# Altium PCB A33.PcbDoc (part 1 of 3) (continued)
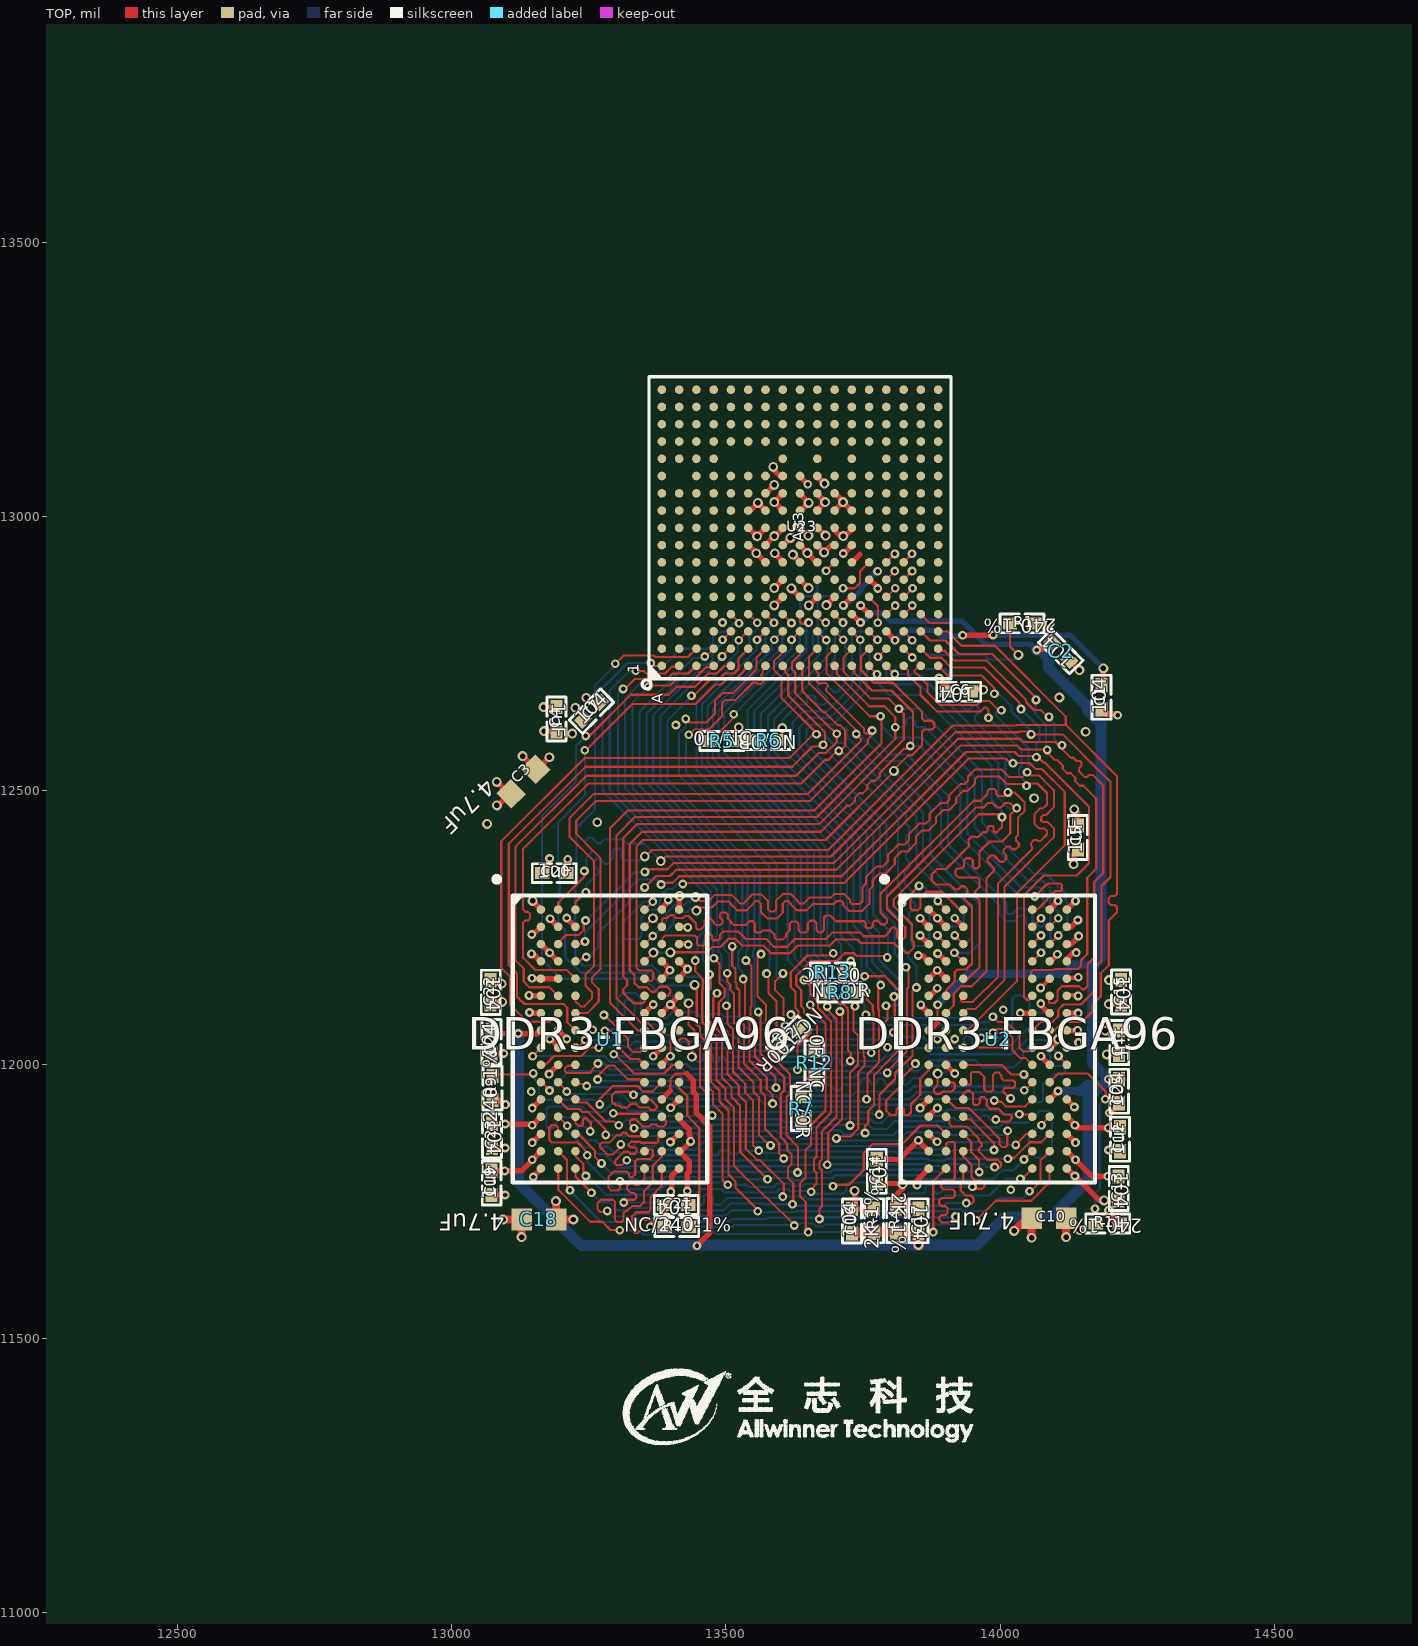
[diagram p0: TOP view]
## Nets (pads, with @x,y where several pads share a name; then routed paths per layer and width w, separated by ;. In a path a pad name is that pad's centre, name@x,y a point inside that pad or via, vN(x,y) a via of type N, cw(c..) or ccw(c..) an arc to the next point about the centre after c; other vN are vias at no path point)
DA0: U1.N3 U2.N3 U23.E4 | length 2241
  TOP w4: U1.N3@13225.37,11905.35 13225.37,11893.91 13230.65,11888.63 13237.02,11888.63 13238.66,11890.27 13238.66,11899.49 13242.75,11903.58 13244.7,11903.58 13253.34,11894.94 13253.34,11879.8 v1(13252.13,11878.59) ; v1(13500.77,12107.93) 13502.53,12106.17 13502.53,12074.98 13512.85,12064.65 13512.85,11987.66 13535.18,11965.33 13535.18,11949.22 13549.18,11935.22 13549.18,11853.19 13558.81,11843.56 v1(13559.81,11843.56) ; U23.E4@13509.07,12822.31 13523.68,12807.71 13523.68,12805.73 v1(13523.81,12805.6) ; U2.N3@13932.93,11905.36 13937.75,11900.53 13945.56,11900.53 13989.03,11857.07 v1(13989.03,11844.67)
  BOTTOM w4: v1(13252.13,11878.59) 13244.54,11886.17 13241.44,11886.17 13235.55,11892.06 13232.94,11892.06 13228.92,11888.04 13228.92,11877.47 13232.79,11873.6 13234.08,11873.6 13245.74,11861.95 13261.92,11861.95 13273.23,11850.64 13285.57,11850.64 13296.13,11840.08 13358.23,11840.08 13363.15,11835.16 13448.79,11835.16 13457.19,11843.56 13467.94,11843.56 13476.34,11835.16 13484.09,11835.16 13487.12,11838.19 13487.12,11840.8 13489.89,11843.56 13504.53,11843.56 13510.36,11837.73 13520.53,11837.73 13526.36,11843.56 v1(13559.81,11843.56) 13563.88,11839.49 13574.77,11839.49 13575.24,11839.02 13594.91,11839.02 13599.87,11843.99 13686.88,11843.99 13689.18,11841.68 13808.96,11841.68 13812.07,11838.57 13872.17,11838.57 13875.19,11835.55 13895.08,11835.55 13898.1,11838.57 13908.94,11838.57 13915.04,11844.67 v1(13989.03,11844.67) ; v1(13500.77,12107.93) 13503.27,12110.43 13503.27,12145.04 13487.99,12160.33 13487.99,12174 13491.99,12178 13491.99,12200.82 13486.59,12206.21 13486.59,12220.26 13486.64,12220.31 13486.64,12225.18 13493.75,12232.29 13493.75,12326.75 13315.98,12504.53 13315.98,12668.61 13363.86,12716.49 13374.67,12716.49 13417.24,12759.06 13465.62,12759.06 13476.11,12769.54 13476.11,12781.3 13484.61,12789.8 13498.1,12789.8 13507.53,12799.23 13513.76,12805.46 13523.68,12805.46 v1(13523.81,12805.6)
DA1: U1.P7 U2.P7 U23.D1 | length 2054
  TOP w4: v1(13307.79,11854.81) 13307.79,11850.75 13293.15,11836.11 13284.17,11836.11 13274.25,11846.03 13273.58,11846.03 13270.24,11849.37 13270.24,11855.03 13273.28,11858.08 13286.97,11858.08 13300.59,11871.69 13307.41,11871.69 13311.79,11876.07 13317.45,11876.07 13323.85,11869.67 13347.16,11869.67 U1.P7@13351.35,11873.86 ; v1(13358.34,12689.95) 13360.31,12691.92 13397.95,12691.92 13409.98,12703.95 13442.04,12703.95 13451.83,12713.74 13451.83,12713.95 13463.43,12725.54 13475.3,12725.54 U23.D1@13477.58,12727.82 ; v1(13502.35,12167.16) 13502.35,12151.97 13507.69,12146.64 13507.69,12136.96 13514.77,12129.88 13514.77,12076.88 13522.85,12068.79 13522.85,11995.62 13550.36,11968.11 13550.36,11950.44 13560.01,11940.78 13560.01,11872.34 13579.33,11853.02 v1(13581.12,11853.02) ; v1(14028.47,11853.87) 14028.47,11854.61 14047.72,11873.86 U2.P7@14058.91,11873.86
  BOTTOM w4: v1(13307.79,11854.81) 13321.32,11854.81 13324.56,11851.57 13330.19,11851.57 13337.83,11859.21 13346.19,11859.21 13353.83,11851.57 13368.39,11851.57 13375.66,11858.84 13381.32,11858.84 13384.15,11856.01 13384.15,11850.83 13389.81,11845.16 13444.65,11845.16 13458.82,11859.33 13574.53,11859.33 13580.83,11853.02 v1(13581.12,11853.02) 13581.41,11853.02 13583.93,11855.54 13689.47,11855.54 13693.32,11851.68 13813.1,11851.68 13816.21,11848.57 13876.31,11848.57 13879.34,11845.55 13890.93,11845.55 13893.96,11848.57 13902.08,11848.57 13912.17,11858.67 14006.11,11858.67 14010.9,11853.87 v1(14028.47,11853.87) ; v1(13358.34,12689.95) 13329.19,12660.8 13329.19,12505.77 13506.33,12328.62 13506.33,12230.74 13497.51,12221.92 13497.51,12221.57 13496.64,12220.69 13496.64,12211.08 13506.15,12201.57 13506.15,12170.96 v1(13502.35,12167.16)
DA2: U1.P3 U2.P3 U23.F2 | length 2009.9
  TOP w4: U1.P3@13225.37,11873.86 13230,11873.86 13233.69,11870.17 13234.15,11870.17 13260.82,11843.51 13260.82,11832.47 13272.97,11820.32 v1(13272.97,11820.19) ; v1(13437.08,12673.41) 13438.91,12675.24 13442.93,12675.24 13471.64,12703.95 13487.47,12703.95 13497.47,12713.95 13514.82,12713.95 13522.95,12722.08 13522.95,12741.7 U23.F2@13540.57,12759.32 ; v1(13563.81,12202.06) 13557.33,12195.58 13557.33,12125.1 13572.85,12109.58 13572.85,12026.53 13616.63,11982.75 13616.63,11947.38 13610.54,11941.29 13610.54,11872.05 13617.27,11865.32 13617.27,11864.45 13621.84,11859.88 13621.84,11859.54 13631.57,11849.82 13631.57,11809.05 13630.53,11808.01 v1(13630.53,11803.54) ; U2.P3@13932.93,11873.86 13947.63,11859.16 13947.63,11840.41 13961.53,11826.51 13961.53,11805.01 v1(13962.03,11804.51)
  BOTTOM w4: v1(13272.97,11820.19) 13272.97,11819.42 13290.31,11802.08 13328.89,11802.08 13331.89,11805.07 v1@13628.99,11805.07 ; v1(13437.08,12673.41) 13435.25,12671.58 13435.25,12670.14 13393.08,12627.97 13393.08,12520.05 13561.52,12351.6 13561.52,12204.34 v1(13563.81,12202.06) ; v1@13628.16,11805.91 v1@13628.99,11805.07 ; v1(13962.03,11804.51) 13960.99,11805.55 13862.77,11805.55 13859.75,11808.57 13695.62,11808.57 13690.58,11803.54 v1(13630.53,11803.54) v1@13628.99,11805.07
DA3: U1.N2 U2.N2 U23.H3 | length 2159.7
  TOP w4: U1.N2@13193.87,11905.35 13194.48,11905.35 13210.45,11889.38 v1(13210.45,11888.9) ; v1(13588.09,12775.34) U23.H3@13603.56,12790.81 ; v1(13684.78,11817.54) 13684.78,11822.14 13686.66,11824.02 13686.66,11876.05 13711.49,11900.87 13711.49,12092.42 13707.85,12096.06 v1(13707.85,12097.37) ; U2.N2@13901.43,11905.36 13907.59,11899.2 13907.59,11892.17 13912.03,11887.73 13939.03,11887.73 13961.2,11865.57 13961.2,11861.52 13967.04,11855.68 13967.04,11852.68 13961.2,11846.84 13961.2,11842.26 13974.07,11829.39 ; 13974.11,11829.39 13976.53,11826.97 13995.6,11826.97 14001.87,11820.7 14001.87,11815.04 13999.09,11812.27 13991.23,11812.27 v1(13990.04,11813.46)
  BOTTOM w4: v1(13210.45,11888.9) 13210.45,11880.66 13241.98,11849.13 13253.9,11849.13 13265.8,11837.22 13278.32,11837.22 13303.47,11812.08 13324.75,11812.08 13327.74,11815.07 13616.06,11815.07 13618.52,11817.54 v1(13684.78,11817.54) 13685.82,11818.57 13863.89,11818.57 13866.91,11815.55 13903.36,11815.55 13906.32,11818.51 13969.8,11818.51 13974.86,11813.46 v1(13990.04,11813.46) ; v1(13588.09,12775.34) 13588.09,12775.05 13584.09,12771.05 13584.09,12757.66 13476.19,12649.75 13476.19,12558.24 13648.79,12385.63 13648.79,12199.86 13667.88,12180.78 13667.88,12180.72 13683.51,12165.09 13683.51,12150.17 13708.69,12124.99 13708.69,12098.38 13707.85,12097.54 v1(13707.85,12097.37)
DA4: U1.P8 U2.P8 U23.D2 | length 2087.6
  TOP w4: v1(13318.95,11826.08) 13309.87,11817 13300.52,11817 13297.9,11819.62 13297.9,11825.27 13302.56,11829.93 13302.56,11830.25 13313.7,11841.39 13321.59,11841.39 13325.07,11837.91 13333.44,11837.91 13336.91,11841.38 13336.91,11846.91 13334.7,11849.12 13326.25,11849.12 13322.57,11852.8 13322.57,11854.84 13327.4,11859.67 13342.95,11859.67 13344.95,11857.67 13373.21,11857.67 13376.27,11860.73 13376.27,11867.28 U1.P8@13382.85,11873.86 ; v1(13461.35,12745.06) 13463.32,12745.06 U23.D2@13477.58,12759.32 ; v1(13511.51,12216.12) 13511.51,12180.49 13517.35,12174.66 13517.35,12150.62 13519.18,12148.78 13519.18,12141.22 13524.77,12135.63 13524.77,12081.02 13532.85,12072.94 13532.85,12002.45 13563.38,11971.92 13563.38,11951.56 13570.01,11944.92 13570.01,11944.36 13571.05,11943.33 13571.05,11883.26 13597.27,11857.04 13597.27,11837.38 v1(13605.57,11829.07) ; v1(14014.31,11828.51) 14021.59,11828.51 14023.36,11830.28 14026.02,11830.28 14054.4,11858.67 14075.22,11858.67 U2.P8@14090.41,11873.86
  BOTTOM w4: v1(13318.95,11826.08) 13319.87,11825.16 13597.88,11825.16 13601.8,11829.07 v1(13605.57,11829.07) 13606.1,11829.07 13608.57,11831.54 13804.96,11831.54 13807.93,11828.57 13868.03,11828.57 13871.05,11825.55 13899.22,11825.55 13902.24,11828.57 13913.55,11828.57 13913.61,11828.51 v1(14014.31,11828.51) ; v1(13461.35,12745.06) 13458.66,12742.37 13440.33,12742.37 13342.27,12644.31 13342.27,12509.15 13517.54,12333.88 13517.54,12225.72 13511.51,12219.7 v1(13511.51,12216.12)
DA5: U1.P2 U2.P2 U23.F1 | length 2327.2
  TOP w4: U1.P2@13193.87,11873.86 13193.25,11874.48 13193.25,11886.35 13189.98,11889.62 13181.65,11889.62 13177.56,11885.53 13177.56,11862.98 13182.38,11858.17 13229.18,11858.17 13241.66,11845.69 13241.66,11845.22 13246.82,11840.07 v1(13246.82,11834.89) ; v1(13242.49,12573.82) 13244.68,12573.82 13329.24,12658.37 13444.76,12658.37 13480.34,12693.95 13491.61,12693.95 13501.61,12703.95 13518.96,12703.95 13532.95,12717.93 13532.95,12720.11 13540.57,12727.73 U23.F1@13540.57,12727.82 ; v2(13442.74,12145.71) 13446.77,12141.69 13446.77,12073.93 13447.91,12072.78 13447.91,12072.57 13452.53,12067.96 13452.53,12052.79 13462.85,12042.46 13462.85,11964.18 13476.03,11951 13476.03,11928.24 13493.56,11910.72 13493.56,11790.8 v1(13503.28,11781.07) ; v1(13695.16,11778.63) 13697.68,11781.15 13724.31,11781.15 13751.29,11808.13 13751.29,11838.98 13767.91,11855.6 13821.42,11855.6 13854.98,11889.15 13886.14,11889.15 U2.P2@13901.43,11873.86
  BOTTOM w4: v1(13242.49,12573.82) 13242.49,12490.99 13193.71,12442.2 13193.71,12371.29 13196.63,12368.36 13196.63,12276.34 13194.41,12274.13 13194.41,12257.45 13206.71,12245.15 13206.71,12196.82 13235.48,12168.06 13359.8,12168.06 13383.28,12144.58 13441.61,12144.58 v2(13442.74,12145.71) ; v1(13246.82,11834.89) 13246.82,11822.8 13296.77,11772.84 13382.19,11772.84 13394.42,11785.07 13499.28,11785.07 v1(13503.28,11781.07) 13538.65,11781.07 13542.65,11777.07 13586.95,11777.07 13593.41,11783.54 13593.95,11783.54 13594.14,11783.74 13616.39,11783.74 13620.59,11779.54 13640.47,11779.54 13643.57,11782.63 13690.03,11782.63 13694.03,11778.63 v1(13695.16,11778.63)
DA6: U1.R8 U2.R8 U23.A1 | length 2394.8
  TOP w4: v1(13283.24,11733.5) 13281.15,11731.41 13270.5,11731.41 13265.43,11736.49 13265.43,11747.26 13271.96,11753.8 13293.53,11753.8 13297.28,11750.05 13297.28,11717.12 13301.28,11713.12 13309.28,11713.12 13313.28,11717.12 13313.28,11729.5 13317.28,11733.5 13320.03,11733.5 13329.22,11742.68 13343.75,11742.68 13350.48,11749.41 13350.48,11769.39 13366.53,11785.44 13366.53,11815.92 13382.85,11832.25 U1.R8@13382.85,11842.36 ; v1(13362.56,12732.99) 13367.73,12727.82 U23.A1@13383.09,12727.82 ; v1(13443.93,12190.14) 13443.93,12170.59 13457.74,12156.78 13457.74,12139.5 13456.77,12138.52 13456.77,12078.07 13457.91,12076.93 13457.91,12076.71 13462.53,12072.1 13462.53,12057.37 13472.85,12047.04 13472.85,11968.32 13488.12,11953.05 13488.12,11933.04 13504.4,11916.76 13504.4,11799.76 13517.28,11786.87 13517.28,11775.53 13557.8,11735.02 v1(13557.8,11732.85) ; v1(14053.66,11769.4) 14056.07,11769.4 14074.03,11787.36 14074.03,11825.98 U2.R8@14090.41,11842.36 ; U2.R8@14090.22,11842.36 U2.R8@14090.41,11842.36 ; U2.R8@14090.23,11842.37 U2.R8@14090.41,11842.36
  BOTTOM w4: v1(13283.24,11733.5) 13293.21,11723.52 13331.56,11723.52 13336.76,11728.73 13376.85,11728.73 13380.99,11724.58 13500.25,11724.58 13510.2,11734.54 13554.64,11734.54 13556.34,11732.85 v1(13557.8,11732.85) 13560.95,11732.85 13562.27,11731.54 13627.06,11731.54 13628.32,11732.8 13901.36,11732.8 13905.69,11737.14 13928.21,11737.14 13932.55,11732.8 13973.99,11732.8 13998.43,11757.24 14042.46,11757.24 14053.66,11768.45 v1(14053.66,11769.4) ; v1(13362.56,12732.99) 13320.15,12732.99 13274.55,12687.38 13274.55,12501.13 13277.93,12497.74 13277.93,12496.8 13461.89,12312.84 13461.89,12245.26 13447.95,12231.33 13447.95,12208.61 13443.93,12204.59 v1(13443.93,12190.14)
DA7: U1.R2 U2.R2 U23.G4 | length 2384.9
  TOP w4: U1.R2@13193.87,11842.36 13209.94,11826.3 13209.94,11776.67 v1(13215.37,11771.24) ; U23.G4@13572.07,12822.31 v1@13587.64,12806.74 ; v1(13670.5,11718.8) 13670.5,11737.1 13675.19,11741.8 13675.19,11807.32 13670.78,11811.74 13670.78,11823.34 13675.19,11827.75 13675.19,11878.72 13701.49,11905.02 13701.49,12083.26 13700.77,12083.99 13700.77,12084.54 13696.77,12088.54 13696.77,12088.82 13686.49,12099.1 13686.49,12104.78 v1(13684.87,12106.39) ; U2.R2@13901.43,11842.36 13901.56,11842.5 13901.56,11855.72 13905.32,11859.47 13914.63,11859.47 13917.53,11856.57 13917.53,11792.79 13913.53,11788.79 13896.65,11788.79 13892.65,11784.79 13892.65,11776.79 13896.65,11772.79 13913.53,11772.79 13917.53,11768.79 13917.53,11760.79 13913.53,11756.79 13892.98,11756.79 13889.07,11752.88 13889.07,11746.1 13893.07,11742.1 13900.42,11742.1 13904.42,11738.1 13904.42,11730.1 13900.42,11726.1 13893.07,11726.1 13889.07,11722.1 13889.07,11717.18 13893.8,11712.45 13908.12,11712.45 v1(13918.8,11723.14)
  BOTTOM w4: v1(13215.37,11771.24) 13217.95,11768.65 13217.95,11767.37 13271.97,11713.35 13336.39,11713.35 13341.77,11718.73 13372.71,11718.73 13376.85,11714.58 13506.92,11714.58 13511.18,11718.85 13573.55,11718.85 13575.53,11720.82 13668.47,11720.82 v1(13670.5,11718.8) 13673.62,11721.93 13914.6,11721.93 13915.81,11723.14 v1(13918.8,11723.14) ; v1(13587.66,12806.74) 13587.51,12806.74 13572.09,12791.32 13572.09,12759.8 13466.19,12653.9 13466.19,12552.82 13636.79,12382.22 13636.79,12197.66 13673.51,12160.95 13673.51,12140.03 13683.08,12130.46 13683.08,12109.8 13684.87,12108.01 v1(13684.87,12106.39)
DA8: U1.T8 U2.T8 U23.B1 | length 2288.8
  TOP w4: v1(13335.18,12718.79) 13349.7,12718.79 13354.54,12713.95 13388.84,12713.95 13401.3,12726.41 13413.18,12726.41 U23.B1@13414.59,12727.82 ; v1(13362.09,11704.73) 13364.35,11706.98 13364.35,11713.08 13360.72,11716.7 13348.1,11716.7 13345.05,11713.65 13345.05,11699.22 13339.51,11693.68 13332.98,11693.68 13329.06,11697.6 13329.06,11723.73 13336.33,11730.99 13358.37,11730.99 13362.37,11734.99 13362.37,11758.66 13382.85,11779.13 U1.T8@13382.85,11810.86 ; v1(13469.7,12164.97) 13472.23,12162.43 13472.23,12139.85 13466.77,12134.38 13466.77,12082.21 13467.91,12081.07 13467.91,12080.86 13472.53,12076.24 13472.53,12061.78 13482.85,12051.45 13482.85,11972.46 13499.05,11956.26 13499.05,11937.14 13514.59,11921.59 13514.59,11815.66 13530.84,11799.41 13616.13,11716.36 13624.51,11707.98 v1(13624.51,11706.82) ; v1(13956.59,11716.42) 13992.32,11752.15 14056.91,11752.15 14090.4,11785.64 14090.4,11802.15 U2.T8@14090.41,11810.87
  BOTTOM w4: v1(13335.18,12718.79) 13333.68,12717.29 13322.43,12717.29 13288.01,12682.87 13288.01,12500.86 13472.85,12316.03 13472.85,12240.15 13457.95,12225.26 13457.95,12191.2 13462.99,12186.16 13462.99,12174.14 13469.7,12167.44 v1(13469.7,12164.97) ; v1(13362.09,11704.73) 13366.72,11704.73 13366.86,11704.58 13511.99,11704.58 13515.2,11707.79 13621.01,11707.79 13621.3,11707.5 13623.84,11707.5 v1(13624.51,11706.82) 13625.18,11707.5 13626.74,11707.5 13629.47,11710.22 13659.28,11710.22 13664.7,11704.8 13676.3,11704.8 13680.3,11708.8 13948.97,11708.8 v1(13956.59,11716.42)
DA9: U1.R3 U2.R3 U23.F4 | length 2191.5
  TOP w4: U1.R3@13225.37,11842.36 13225.37,11833.45 13239.48,11819.34 13239.48,11804.7 13244.35,11799.83 v1(13244.35,11797.11) ; U23.F4@13540.57,12822.31 13541.15,12822.31 v1(13556.89,12806.56) ; v1(13642.44,12154.91) 13654.09,12143.26 13654.09,12129.21 13667.82,12115.48 13667.82,12103.62 13686.77,12084.67 13686.77,12084.39 13690.77,12080.39 13690.77,12079.84 13691.49,12079.12 13691.49,11912.34 13665.19,11886.05 13665.19,11831.89 13660.78,11827.48 13660.78,11807.59 13665.19,11803.18 13665.19,11782.8 13655.45,11773.06 v1(13655.45,11768.63) ; U2.R3@13932.93,11842.36 13932.93,11832.89 13948.03,11817.79 13948.03,11795.45 13954.57,11788.9 13966.82,11788.9 13971.67,11784.05 13971.67,11778.39 13967.31,11774.04 13952.93,11774.04 v1(13949.59,11777.37)
  BOTTOM w4: v1(13244.35,11797.11) 13247.35,11797.11 13281.65,11762.81 13385.19,11762.81 13393.31,11754.7 13435.44,11754.7 13454.29,11773.54 13491.02,11773.54 13497.49,11767.07 13591.09,11767.07 13597.55,11773.54 13612.44,11773.54 13616.45,11769.54 13654.55,11769.54 v1(13655.45,11768.63) 13659.45,11764.63 13700.96,11764.63 13701.57,11765.24 13713.99,11765.24 13719.7,11770.95 13719.7,11780.81 13724.28,11785.39 13762.7,11785.39 13766.7,11781.39 13766.7,11769.24 13770.7,11765.24 13859.74,11765.24 13863.74,11769.24 13863.74,11777.14 13867.74,11781.14 13875.74,11781.14 13879.74,11777.14 13879.74,11769.24 13883.74,11765.24 13889.82,11765.24 13894.53,11769.95 13894.53,11773.61 13898.3,11777.37 v1(13949.59,11777.37) ; v1(13556.89,12806.56) 13556.89,12795.44 13542.6,12781.14 13542.6,12758.59 13446.19,12662.18 13446.19,12538.58 13612.79,12371.98 13612.79,12190.95 13642.44,12161.31 v1(13642.44,12154.91)
DA10: U1.L7 U2.L7 U23.E2 | length 1911.1
  TOP w4: v1(13265.8,11973.25) 13265.8,11979.64 13284.68,11998.52 13296.13,11998.52 13320.82,11973.82 13344.02,11973.82 13349.5,11968.34 U1.L7@13351.35,11968.34 ; v1(13492.93,12745.17) 13492.93,12745.87 13506.38,12759.32 U23.E2@13509.07,12759.32 ; v1(13536.27,12190.27) 13546.36,12180.18 13546.36,12106.98 13544.77,12105.38 13544.77,12089.3 13552.85,12081.22 13552.85,12015.02 13590.46,11977.42 13590.46,11958.95 v1(13591.21,11958.2) ; v1(14044.32,11953.42) 14044.32,11953.81 v1@14043.06,11955.07 ; v1@14045.03,11954.67 14044.63,11955.07 v1@14043.06,11955.07 ; U2.L7@14058.91,11968.35 14058.91,11966.55 14048.62,11956.26 14044.26,11956.26 v1@14043.06,11955.07
  BOTTOM w4: v1(13265.8,11973.25) 13272.6,11973.25 13275.11,11970.74 13411.87,11970.74 13423.53,11959.08 13590.33,11959.08 v1(13591.21,11958.2) 13592.05,11958.2 13592.8,11957.45 13597.28,11957.45 13604.26,11950.47 13625.06,11950.47 13631.41,11944.12 13649.01,11944.12 13649.43,11943.7 13730.41,11943.7 13737.9,11951.19 13833.09,11951.19 13842.68,11960.78 14016.53,11960.78 14020.26,11957.05 14040.51,11957.05 14041.3,11956.26 14041.48,11956.26 v1(14044.32,11953.42) ; v1(13492.93,12745.17) 13487.85,12740.1 13487.85,12736.66 13467.87,12716.68 13446.02,12716.68 13367.19,12637.84 13367.19,12516.42 13539.81,12343.8 13539.81,12209.69 13536.27,12206.15 v1(13536.27,12190.27)
DA11: U1.R7 U2.R7 U23.C2 | length 2409.5
  TOP w4: v1(13298.12,12731.78) 13313.33,12746.99 13368.36,12746.99 13371.39,12743.96 13430.73,12743.96 U23.C2@13446.08,12759.32 ; v1(13306.51,11787.68) 13306.6,11787.59 13306.6,11774.06 13303.43,11770.9 13290.65,11770.9 13285.88,11775.68 13285.88,11796 13295.5,11805.62 13318.92,11805.62 13322.86,11801.68 13322.87,11796.9 13324.21,11795.57 13329.86,11795.57 13334.3,11800.01 13334.3,11824.1 13338.29,11828.09 13361.72,11828.09 13366.38,11832.75 13366.38,11843.92 13364.64,11845.67 13354.66,11845.67 U1.R7@13351.35,11842.36 ; v1(13483.69,12130.48) 13483.69,12128.73 13476.77,12121.81 13476.77,12086.36 13482.53,12080.6 13482.53,12066.04 13492.85,12055.71 13492.85,11976.6 13510.24,11959.21 13510.24,11941.37 13525.73,11925.88 13525.73,11895.24 13525.92,11895.05 13525.92,11840.84 v1(13575.67,11791.07) ; v1(14043.75,11827.24) U2.R7@14058.91,11842.36
  BOTTOM w4: v1(13298.12,12731.78) 13298.12,12728.92 13260.81,12691.6 13260.81,12465.61 13227.17,12431.97 13227.17,12369.7 13224.92,12367.45 13224.92,12195.59 13239.16,12181.35 13365.21,12181.35 13387.9,12158.66 13391.8,12158.66 13391.85,12158.6 13403.45,12158.6 13405.61,12160.76 13423.84,12160.76 13423.91,12160.69 13435.51,12160.69 13435.58,12160.76 13450.08,12160.76 13480.36,12130.48 v1(13483.69,12130.48) ; v1(13306.51,11787.68) 13308.79,11785.39 13319.93,11785.39 13325.65,11791.11 13335.93,11791.11 13341.65,11785.39 13350.31,11785.39 13354.31,11789.39 13354.31,11789.88 13358.31,11793.88 13366.31,11793.88 13370.31,11789.88 13370.31,11789.39 13374.31,11785.39 13379.1,11785.39 13388.78,11795.07 13532.59,11795.07 13536.59,11791.07 v1(13575.67,11791.07) 13578.13,11793.54 13589.8,11793.54 13590.03,11793.77 13620.5,11793.77 13624.73,11789.54 13636.33,11789.54 13640.33,11793.54 13694.72,11793.54 13699.76,11798.57 13853.04,11798.57 13859.84,11791.77 13954.97,11791.77 13956.23,11790.51 13986.9,11790.51 14004.12,11807.74 14024.58,11807.74 14043.75,11826.91 v1(14043.75,11827.24)
DA12: U1.N7 U2.N7 U23.E1 | length 2456.3
  TOP w4: v1(13244.2,12600.11) 13250.91,12600.11 13326.04,12675.24 13395.43,12675.24 13410.14,12689.95 13443.5,12689.95 13467.5,12713.95 13483.33,12713.95 13497.2,12727.82 U23.E1@13509.07,12727.82 ; v1(13294.42,11911.81) 13295.39,11910.84 13345.86,11910.84 U1.N7@13351.35,11905.36 ; v2(13431.77,12112.26) 13431.77,12073.39 13442.53,12062.63 13442.53,12048.64 ; 13442.55,12048.62 13442.55,12046.56 13452.85,12036.26 13452.85,11960.03 13464.02,11948.86 13464.02,11918.29 v1(13474.63,11907.68) ; v1(14035.27,11909.67) 14035.77,11909.17 14055.1,11909.17 U2.N7@14058.91,11905.36
  BOTTOM w4: v1(13244.2,12600.11) 13226.31,12582.22 13226.31,12516.36 13164.12,12454.18 13164.12,12192.7 13184.32,12172.5 13199.92,12156.9 13351.12,12156.9 13382.36,12125.65 13419.76,12125.65 13431.77,12113.64 v2(13431.77,12112.26) ; v1(13294.42,11911.81) 13292.35,11909.75 13292.35,11906.64 13282.76,11897.05 13247.08,11897.05 13240.3,11903.82 13199.49,11903.82 13189.21,11893.55 13189.21,11888.18 13185.21,11884.18 13175.49,11884.18 13172.64,11887.02 13172.64,11919.53 13177.07,11923.95 13236.89,11923.95 13247.12,11913.73 13276.07,11913.73 13292.79,11930.44 13307.06,11930.44 13321.63,11915.87 13381.35,11915.87 13390.72,11906.5 13473.45,11906.5 v1(13474.63,11907.68) 13481.47,11900.84 13602.03,11900.84 13607.04,11895.83 13679,11895.83 13683.95,11900.78 13718.26,11900.78 13720.68,11903.19 13732.28,11903.19 13733.2,11902.27 13761.71,11902.27 13764.83,11899.15 13765.59,11899.15 13770.7,11894.04 13784.13,11894.04 13797.07,11906.98 13892.49,11906.98 13903.71,11918.21 13987.88,11918.21 13987.92,11918.17 13994.82,11918.17 14003.32,11909.67 v1(14035.27,11909.67)
DA13: U1.T3 U2.T3 U23.F3 | length 2098.2
  TOP w4: U1.T3@13225.37,11810.86 13225.37,11796.29 13254.49,11767.18 v1(13254.49,11766.7) ; v1(13523.21,12774.67) 13539.36,12790.81 U23.F3@13540.57,12790.81 ; v1(13558.85,12096.52) 13561.36,12094.01 13561.36,12092.51 13562.85,12091.02 13562.85,12020.14 13606.23,11976.76 13606.23,11953.24 13599.78,11946.79 13599.78,11868.67 13607.27,11861.18 13607.27,11860.31 13611.84,11855.74 13611.84,11844.32 13619.57,11836.59 13619.57,11819.06 13612.92,11812.42 13612.92,11793.73 13622.55,11784.1 13622.55,11754.13 13621.26,11752.83 v1(13621.26,11745.54) ; U2.T3@13932.93,11810.87 13932.93,11796.81 13932.93,11786.78 13928.27,11782.12 13928.27,11770.78 13932.93,11766.12 13932.93,11765.94 13937.41,11761.46 13946.57,11761.46 13951.99,11756.04 13951.99,11750.38 13948.2,11746.59 13939.3,11746.59 v1(13938.16,11747.73)
  BOTTOM w4: v1(13254.49,11766.7) 13254.49,11766.59 13271.85,11749.22 13287.31,11749.22 13301.72,11734.81 13319.32,11734.81 13323.24,11738.73 13380.99,11738.73 13385.02,11734.7 13385.14,11734.58 13495.65,11734.58 13507.92,11746.85 13567.26,11746.85 13568.57,11745.54 v1(13621.26,11745.54) 13624.29,11745.54 13627.03,11742.8 13896.38,11742.8 13901.31,11747.73 v1(13938.16,11747.73) ; v1(13523.21,12774.67) 13523.15,12774.61 13521.89,12773.34 13521.89,12753.81 13474.7,12706.62 13450.5,12706.62 13380.7,12636.83 13380.7,12518.28 13551.52,12347.46 13551.52,12209.57 13549.81,12207.85 13549.81,12196.26 13551.89,12194.17 13551.89,12105.64 13558.85,12098.68 v1(13558.85,12096.52)
DA14: U1.T7 U2.T7 U23.C1 | length 2150.6
  TOP w4: v1(13312.28,12685.91) 13313.59,12685.91 13316.72,12689.04 13318.45,12689.04 13333.36,12703.95 13392.98,12703.95 13402.98,12713.95 13431.44,12713.95 13445.31,12727.82 U23.C1@13446.08,12727.82 ; v1(13313.52,11748.81) 13318.66,11753.95 13333.22,11753.95 13336.19,11756.92 13336.19,11762.58 13332.72,11766.05 13326.51,11766.05 13323.1,11769.47 13323.1,11769.6 13319.29,11773.41 13319.29,11779.07 13324.94,11784.73 13330.6,11784.73 13334.41,11780.92 13340.07,11780.92 13351.35,11792.2 U1.T7@13351.35,11810.86 ; v1(13477.99,12194.49) 13488.35,12184.13 13488.35,12148.4 13497.69,12139.07 13497.69,12124.65 13486.77,12113.73 13486.77,12090.5 13492.53,12084.74 13492.53,12070.31 13502.85,12059.99 13502.85,11982.61 13523.18,11962.28 13523.18,11945.05 13536.6,11931.64 13536.6,11903.85 13535.92,11903.17 13535.92,11847.13 13556.94,11826.11 13562.2,11826.11 13605.31,11783 13605.31,11761.5 v1(13603.35,11759.54) ; v1(14037.2,11792.35) 14041.12,11792.35 14058.91,11810.14 U2.T7@14058.91,11810.87
  BOTTOM w4: v1(13312.28,12685.91) 13302.77,12676.4 13302.77,12500.24 13483.75,12319.27 13483.75,12236.44 13476.64,12229.32 13476.64,12224.97 13476.59,12224.93 13476.59,12202.07 13477.99,12200.68 v1(13477.99,12194.49) ; v1(13313.52,11748.81) 13385.05,11748.81 13389.16,11744.7 13391.62,11744.7 13391.73,11744.58 13455.65,11744.58 13459.65,11748.58 13459.65,11758.86 13463.65,11762.86 13471.65,11762.86 13475.65,11758.86 13475.65,11748.58 13479.65,11744.58 13489.71,11744.58 13502.2,11757.07 13600.89,11757.07 v1(13603.35,11759.54) 13612.3,11759.54 13644.75,11759.54 13649.65,11754.63 13705.11,11754.63 13705.72,11755.24 13894.28,11755.24 13900.76,11761.73 13980.93,11761.73 14011.55,11792.35 v1(14037.2,11792.35)
DA15: U1.M7 U2.M7 U23.E3 | length 1979.1
  TOP w4: v1(13331.27,11945.37) 13325.94,11950.71 13298.17,11950.71 13291.76,11944.3 13291.76,11933.05 13299.19,11925.63 13305.64,11925.63 13309.39,11921.88 13319.44,11921.88 13326.54,11928.98 13335.44,11928.98 13342.54,11921.88 13358.83,11921.88 13363.24,11917.48 13369.78,11917.48 13373.75,11921.44 13373.75,11925.39 13362.3,11936.85 U1.M7@13351.35,11936.85 ; v1(13493.61,12775.34) U23.E3@13509.07,12790.81 ; v1(13531.35,12156.42) 13531.35,12154.37 13534.77,12150.94 13534.77,12085.16 13542.85,12077.08 13542.85,12007.78 13574.31,11976.32 13574.31,11955.3 13585.05,11944.56 v1(13585.05,11929.3) ; v1(13989.59,11935.01) 13991.94,11932.67 14002.04,11932.67 14010.54,11924.17 14046.23,11924.17 U2.M7@14058.91,11936.85
  BOTTOM w4: v1(13331.27,11945.37) 13334.28,11948.38 13405.93,11948.38 13417.69,11936.63 13561.6,11936.63 13568.93,11929.3 v1(13585.05,11929.3) 13591.63,11929.3 13597.23,11923.7 13628.71,11923.7 13629.13,11924.12 13640.72,11924.12 13641.14,11923.7 13749.96,11923.7 13750.47,11923.19 13762.07,11923.19 13766.07,11927.19 13839.4,11927.19 13849.67,11937.46 13984.8,11937.46 13987.25,11935.01 v1(13989.59,11935.01) ; v1@13493.27,12775.34 v1(13493.61,12775.34) 13493.61,12770.36 13475.35,12752.1 13475.35,12739.26 13466.22,12730.13 13444.41,12730.13 13354.89,12640.62 13354.89,12515.44 13357.19,12513.15 13357.19,12512.28 13529.81,12339.66 13529.81,12213.83 13522.27,12206.29 13522.27,12183.53 13522.36,12183.44 13522.36,12176.74 13529.66,12169.44 13529.66,12158.1 v1(13531.35,12156.42)
DBA0: U1.M2 U2.M2 U23.J3 | length 2188.2
  TOP w4: U1.M2@13193.87,11936.85 13211.5,11919.23 13232.74,11919.23 13238.3,11913.67 13248.75,11913.67 13280.44,11881.98 v1(13280.44,11872.19) ; v1(13619.43,12775.52) 13634.73,12790.81 U23.J3@13635.06,12790.81 ; v1(13701.41,11865.78) 13701.55,11865.78 13704.91,11869.13 13727.09,11869.13 13741.18,11883.22 13741.18,11986.58 13752.07,11997.48 13752.52,11997.97 13752.52,12015.23 13750.93,12016.83 13750.93,12086.31 13752.74,12088.12 13752.74,12088.24 13755.2,12090.7 v1(13755.2,12091.29) ; v1(14013.84,11879.63) 14012.15,11877.95 14013.14,11876.96 14013.14,11852.56 14010.4,11849.82 14004.29,11849.82 13999.03,11855.08 13999.03,11865.06 13986.57,11877.51 13986.57,11877.62 13943.03,11921.17 13919.03,11921.17 U2.M2@13903.34,11936.85 ; U2.M2@13903.34,11936.85 U2.M2@13901.43,11936.85 U2.M2@13903.33,11936.86
  BOTTOM w4: v1(13280.44,11872.19) 13291.99,11872.19 13293.43,11870.75 13321.55,11870.75 13321.88,11870.42 13390.05,11870.42 13394.93,11875.3 13445.4,11875.3 13451.37,11869.33 13584.62,11869.33 13588.11,11865.83 v1(13701.41,11865.78) ; v1(13619.43,12775.52) 13619.43,12759.72 13522.59,12662.88 13517.6,12662.88 13496.19,12641.47 13496.19,12568.92 13668.79,12396.31 13668.79,12395.93 13670.79,12393.93 13670.79,12388.35 13672.79,12386.35 13672.79,12204.25 13707.33,12169.71 13707.33,12157.27 13737.7,12126.9 13737.7,12126.73 13746.92,12117.51 13746.92,12115.13 13752.74,12109.32 13752.74,12094.34 13755.2,12091.88 v1(13755.2,12091.29) ; v1@13700.41,11866.78 v1(13701.41,11865.78) ; v1(14013.84,11879.63) 14006.37,11872.17 13892.32,11872.17 13887.5,11876.98 13830.02,11876.98 13814.72,11861.68 13707.11,11861.68 13703.02,11865.78 v1(13701.41,11865.78) v1(13701.41,11865.78)
DBA1: U1.N8 U2.N8 U23.K4 | length 2267.5
  TOP w4: v1(13332.21,11884.42) 13324.83,11891.8 13324.83,11896.97 13328.66,11900.8 13335.05,11900.8 13348.12,11887.73 13360.23,11887.73 13363.53,11891.03 13372.67,11891.03 13375.97,11887.73 13386.24,11887.73 13390.66,11892.15 13390.66,11897.54 U1.N8@13382.85,11905.35 ; U23.K4@13666.56,12822.31 13666.56,12818.06 13677.78,12806.84 v1(13682.03,12806.84) ; v1(13752.88,12161.51) 13789.81,12161.51 13806.52,12144.8 13806.52,12144.27 13820.47,12130.32 13820.47,12031.81 13784.87,11996.22 13784.87,11995.58 13770.27,11980.98 13770.27,11926.47 13759.65,11915.85 13759.65,11894.46 13753.73,11888.55 v1(13753.73,11875.68) ; v1(14075.72,11889.67) 14075.72,11890.67 U2.N8@14090.41,11905.36
  BOTTOM w4: v1(13332.21,11884.42) 13333.1,11885.31 13449.53,11885.31 13455.51,11879.33 13591.44,11879.33 13594.94,11875.83 13687.28,11875.83 13692.23,11880.78 13708.02,11880.78 13715.63,11873.17 13742.55,11873.17 13743.81,11874.43 13752.48,11874.43 v1(13753.73,11875.68) 13757.38,11872.03 13805.72,11872.03 13820.68,11886.98 13899.93,11886.98 13900.8,11886.11 13998.43,11886.11 14006.55,11894.23 14050.6,11894.23 14072.29,11915.92 14088.72,11915.92 14094.91,11909.73 14094.91,11843.05 14082.53,11830.67 14065.03,11830.67 14052.53,11843.17 14052.53,11869.69 14072.45,11889.61 14075.66,11889.61 v1(14075.72,11889.67) ; v1(13682.03,12806.84) 13682.03,12795.43 13670.57,12783.96 13667.82,12781.22 13667.82,12768.79 13670.57,12766.05 13670.57,12747.3 13669.23,12745.97 13669.23,12745.91 13563.43,12640.12 13563.43,12561.86 13720.79,12404.5 13720.79,12244.57 13746.97,12218.39 13746.97,12167.43 v1(13752.88,12161.51)
DBA2: U1.M3 U2.M3 U23.H4 | length 2134.1
  TOP w4: U1.M3@13225.38,11936.86 13231.01,11931.23 13246.06,11931.23 13280.9,11896.39 13296.38,11896.39 13303.1,11889.66 v1(13304.13,11889.66) ; U23.H4@13603.56,12822.31 13603.56,12821.96 v1(13619.44,12806.12) ; v1(13726.48,11889.19) 13726.48,11986.07 13740.93,12000.52 13740.93,12053.88 13732.44,12062.37 13732.44,12104.01 v1(13735.34,12106.91) ; U2.M3@13932.93,11936.85 13932.93,11946.4 13939.22,11952.69 13944.92,11952.69 13950.59,11947.01 13950.59,11929.56 13953.42,11926.73 13959.08,11926.73 13962.9,11930.55 13962.9,11938.95 13964.99,11941.04 13970.96,11941.04 13975.59,11936.41 13975.59,11925.8 13981.61,11919.78 13997.24,11919.78 14007.59,11909.43 14017.86,11909.43 14021.39,11905.89 14021.39,11902.09 14015.72,11896.41 13995.99,11896.41 v1(13992.24,11900.17)
  BOTTOM w4: v1(13304.13,11889.66) 13307.49,11889.66 13308.07,11890.24 13308.4,11890.24 13317.83,11899.67 13378.96,11899.67 13382.13,11896.5 13452.71,11896.5 13458.37,11890.84 13596.1,11890.84 13601.11,11885.83 13683.14,11885.83 13688.09,11890.78 13724.89,11890.78 v1(13726.48,11889.19) 13729.55,11892.27 13757.57,11892.27 13760.69,11889.15 13761.45,11889.15 13766.56,11884.04 13767.07,11884.04 13768.39,11882.72 13793.19,11882.72 13807.45,11896.98 13904.35,11896.98 13909.78,11902.41 13916.48,11902.41 13920.74,11898.15 13928.25,11898.15 13932.25,11902.15 13932.25,11903.78 13936.25,11907.78 13944.25,11907.78 13948.25,11903.78 13948.25,11902.15 13952.25,11898.15 13960.25,11898.15 13964.25,11902.15 13964.25,11903.78 13968.25,11907.78 13976.25,11907.78 13980.25,11903.78 13980.25,11902.15 13984.25,11898.15 13989.45,11898.15 13989.83,11897.77 v1(13992.24,11900.17) ; v1(13619.44,12806.12) 13618.64,12805.32 13618.45,12805.32 13603.08,12789.96 13603.08,12769.13 13596.09,12762.14 13596.09,12755.51 13486.19,12645.61 13486.19,12564.77 13658.8,12392.17 13658.8,12391.78 13660.79,12389.79 13660.79,12202 13677.88,12184.92 13677.88,12184.86 13696.04,12166.7 13696.04,12153.1 13723.7,12125.44 13723.7,12120.47 13735.09,12109.08 13735.09,12107.16 v1(13735.34,12106.91)

## Text inside footprints (layer, text, board x,y; h text height)
U2: PIN_NUMBER "R1" at 13857.34,11834.49 h15.75; PIN_NUMBER "N1" at 13857.34,11897.48 h15.75; PIN_NUMBER "R9" at 14109.31,11834.49 h15.75; PIN_NUMBER "N9" at 14109.31,11897.48 h15.75; PIN_NUMBER "F1" at 13857.34,12117.95 h15.75; PIN_NUMBER "H2" at 13888.83,12054.96 h15.75; PIN_NUMBER "K8" at 14077.81,11991.97 h15.75; PIN_NUMBER "K2" at 13888.83,11991.97 h15.75; PIN_NUMBER "G7" at 14046.31,12086.46 h15.75; PIN_NUMBER "E9" at 14109.31,12149.45 h15.75; PIN_NUMBER "H9" at 14109.31,12054.96 h15.75; PIN_NUMBER "D2" at 13888.83,12180.95 h15.75; PIN_NUMBER "B2" at 13888.83,12243.94 h15.75; PIN_NUMBER "A1" at 13857.34,12275.44 h15.75; PIN_NUMBER "C1" at 13857.34,12212.44 h15.75; PIN_NUMBER "C9" at 14109.31,12212.44 h15.75; PIN_NUMBER "D9" at 14109.31,12180.95 h15.75; PIN_NUMBER "A8" at 14077.81,12275.44 h15.75; PIN_NUMBER "K9" at 14109.31,11991.97 h15.75; PIN_NUMBER "L2" at 13888.83,11960.47 h15.75; PIN_NUMBER "K1" at 13857.34,11991.97 h15.75; PIN_NUMBER "J1" at 13857.34,12023.47 h15.75; PIN_NUMBER "L1" at 13857.34,11960.47 h15.75; PIN_NUMBER "J9" at 14109.31,12023.47 h15.75; PIN_NUMBER "L9" at 14109.31,11960.47 h15.75; PIN_NUMBER "L8" at 14077.81,11960.47 h15.75; PIN_NUMBER "H1" at 13857.34,12054.96 h15.75; PIN_NUMBER "M8" at 14077.81,11928.98 h15.75; PIN_NUMBER "T2" at 13888.83,11802.99 h15.75; PIN_NUMBER "M3" at 13920.33,11928.98 h15.75; PIN_NUMBER "N8" at 14077.81,11897.48 h15.75; PIN_NUMBER "M2" at 13888.83,11928.98 h15.75; PIN_NUMBER "J3" at 13920.33,12023.47 h15.75; PIN_NUMBER "K3" at 13920.33,11991.97 h15.75; PIN_NUMBER "L3" at 13920.33,11960.47 h15.75; PIN_NUMBER "N7" at 14046.31,11897.48 h15.75; PIN_NUMBER "P7" at 14046.31,11865.99 h15.75; PIN_NUMBER "T3" at 13920.33,11802.99 h15.75; PIN_NUMBER "R3" at 13920.33,11834.49 h15.75; PIN_NUMBER "R2" at 13888.83,11834.49 h15.75; PIN_NUMBER "N2" at 13888.83,11897.48 h15.75; PIN_NUMBER "L7" at 14046.31,11960.47 h15.75; PIN_NUMBER "P2" at 13888.83,11865.99 h15.75; PIN_NUMBER "T7" at 14046.31,11802.99 h15.75; PIN_NUMBER "R8" at 14077.81,11834.49 h15.75; PIN_NUMBER "P3" at 13920.33,11865.99 h15.75; PIN_NUMBER "R7" at 14046.31,11834.49 h15.75; PIN_NUMBER "T8" at 14077.81,11802.99 h15.75; PIN_NUMBER "M7" at 14046.31,11928.98 h15.75; PIN_NUMBER "P8" at 14077.81,11865.99 h15.75; PIN_NUMBER "N3" at 13920.33,11897.48 h15.75; PIN_NUMBER "J7" at 14046.31,12023.47 h15.75; PIN_NUMBER "E7" at 14046.31,12149.45 h15.75; PIN_NUMBER "D3" at 13920.33,12180.95 h15.75; PIN_NUMBER "G3" at 13920.33,12086.46 h15.75; PIN_NUMBER "F3" at 13920.33,12117.95 h15.75; PIN_NUMBER "B7" at 14046.31,12243.94 h15.75; PIN_NUMBER "C7" at 14046.31,12212.44 h15.75; PIN_NUMBER "B8" at 14077.81,12243.94 h15.75; PIN_NUMBER "H3" at 13920.33,12054.96 h15.75; PIN_NUMBER "H8" at 14077.81,12054.96 h15.75; PIN_NUMBER "C3" at 13920.33,12212.44 h15.75; PIN_NUMBER "G2" at 13888.83,12086.46 h15.75; PIN_NUMBER "A3" at 13920.33,12275.44 h15.75; PIN_NUMBER "E3" at 13920.33,12149.45 h15.75; PIN_NUMBER "K7" at 14046.31,11991.97 h15.75; PIN_NUMBER "H7" at 14046.31,12054.96 h15.75; PIN_NUMBER "F2" at 13888.83,12117.95 h15.75; PIN_NUMBER "C2" at 13888.83,12212.44 h15.75; PIN_NUMBER "D7" at 14046.31,12180.95 h15.75; PIN_NUMBER "F7" at 14046.31,12117.95 h15.75; PIN_NUMBER "F8" at 14077.81,12117.95 h15.75; PIN_NUMBER "C8" at 14077.81,12212.44 h15.75; PIN_NUMBER "A2" at 13888.83,12275.44 h15.75; PIN_NUMBER "A7" at 14046.31,12275.44 h15.75; PIN_NUMBER "T9" at 14109.31,11802.99 h15.75; PIN_NUMBER "M1" at 13857.34,11928.98 h15.75; PIN_NUMBER "P1" at 13857.34,11865.99 h15.75; PIN_NUMBER "T1" at 13857.34,11802.99 h15.75; PIN_NUMBER "P9" at 14109.31,11865.99 h15.75; PIN_NUMBER "M9" at 14109.31,11928.98 h15.75; PIN_NUMBER "G1" at 13857.34,12086.46 h15.75; PIN_NUMBER "E8" at 14077.81,12149.45 h15.75; PIN_NUMBER "G8" at 14077.81,12086.46 h15.75; PIN_NUMBER "J2" at 13888.83,12023.47 h15.75; PIN_NUMBER "G9" at 14109.31,12086.46 h15.75; PIN_NUMBER "F9" at 14109.31,12117.95 h15.75; PIN_NUMBER "J8" at 14077.81,12023.47 h15.75; PIN_NUMBER "E1" at 13857.34,12149.45 h15.75; PIN_NUMBER "E2" at 13888.83,12149.45 h15.75; PIN_NUMBER "D1" at 13857.34,12180.95 h15.75; PIN_NUMBER "B1" at 13857.34,12243.94 h15.75; PIN_NUMBER "B3" at 13920.33,12243.94 h15.75; PIN_NUMBER "B9" at 14109.31,12243.94 h15.75; PIN_NUMBER "A9" at 14109.31,12275.44 h15.75; PIN_NUMBER "D8" at 14077.81,12180.95 h15.75; AUTOSILK_TOP "DDR3-FBGA96" at 13736.06,11718.35 h59.06; Top Overlay "DDR3-FBGA96" at 13736.06,12027.4 h59.06; ASSEMBLY_TOP "RichardLC" at 13939.23,12039.21 h15.75